# Altium PCB PCB.PcbDoc (part 1 of 3)
Units mm, origin at the board's own origin, x right, y up, seen from the top; angles counter-clockwise.
Board outline 229 x 100 mm, 2 copper layers (Top Layer 1, Bottom Layer 2), stack 1.58 mm thick; 164 components, 97 nets, 426 pads, 699 vias.
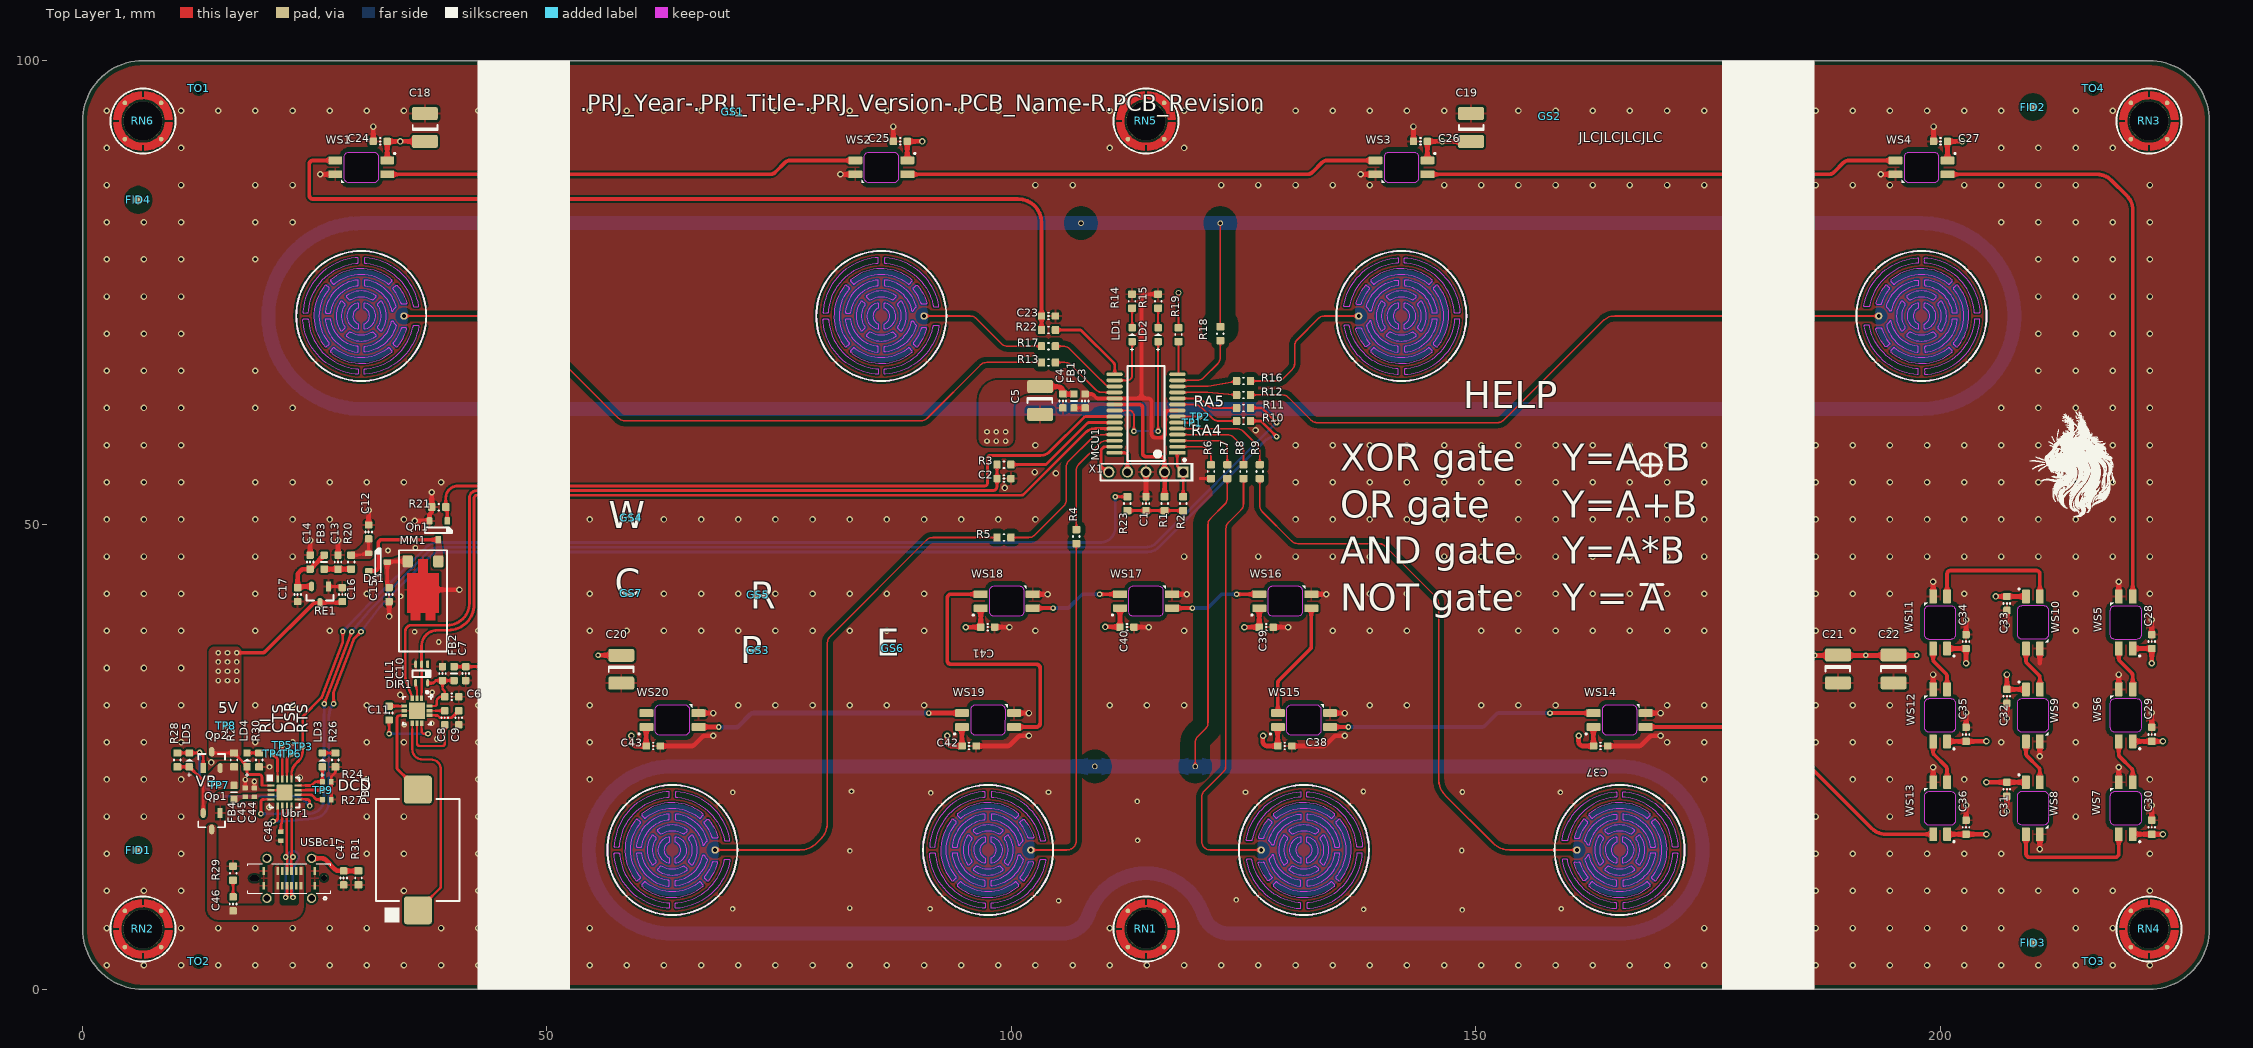
[diagram p0: Top Layer 1 view]
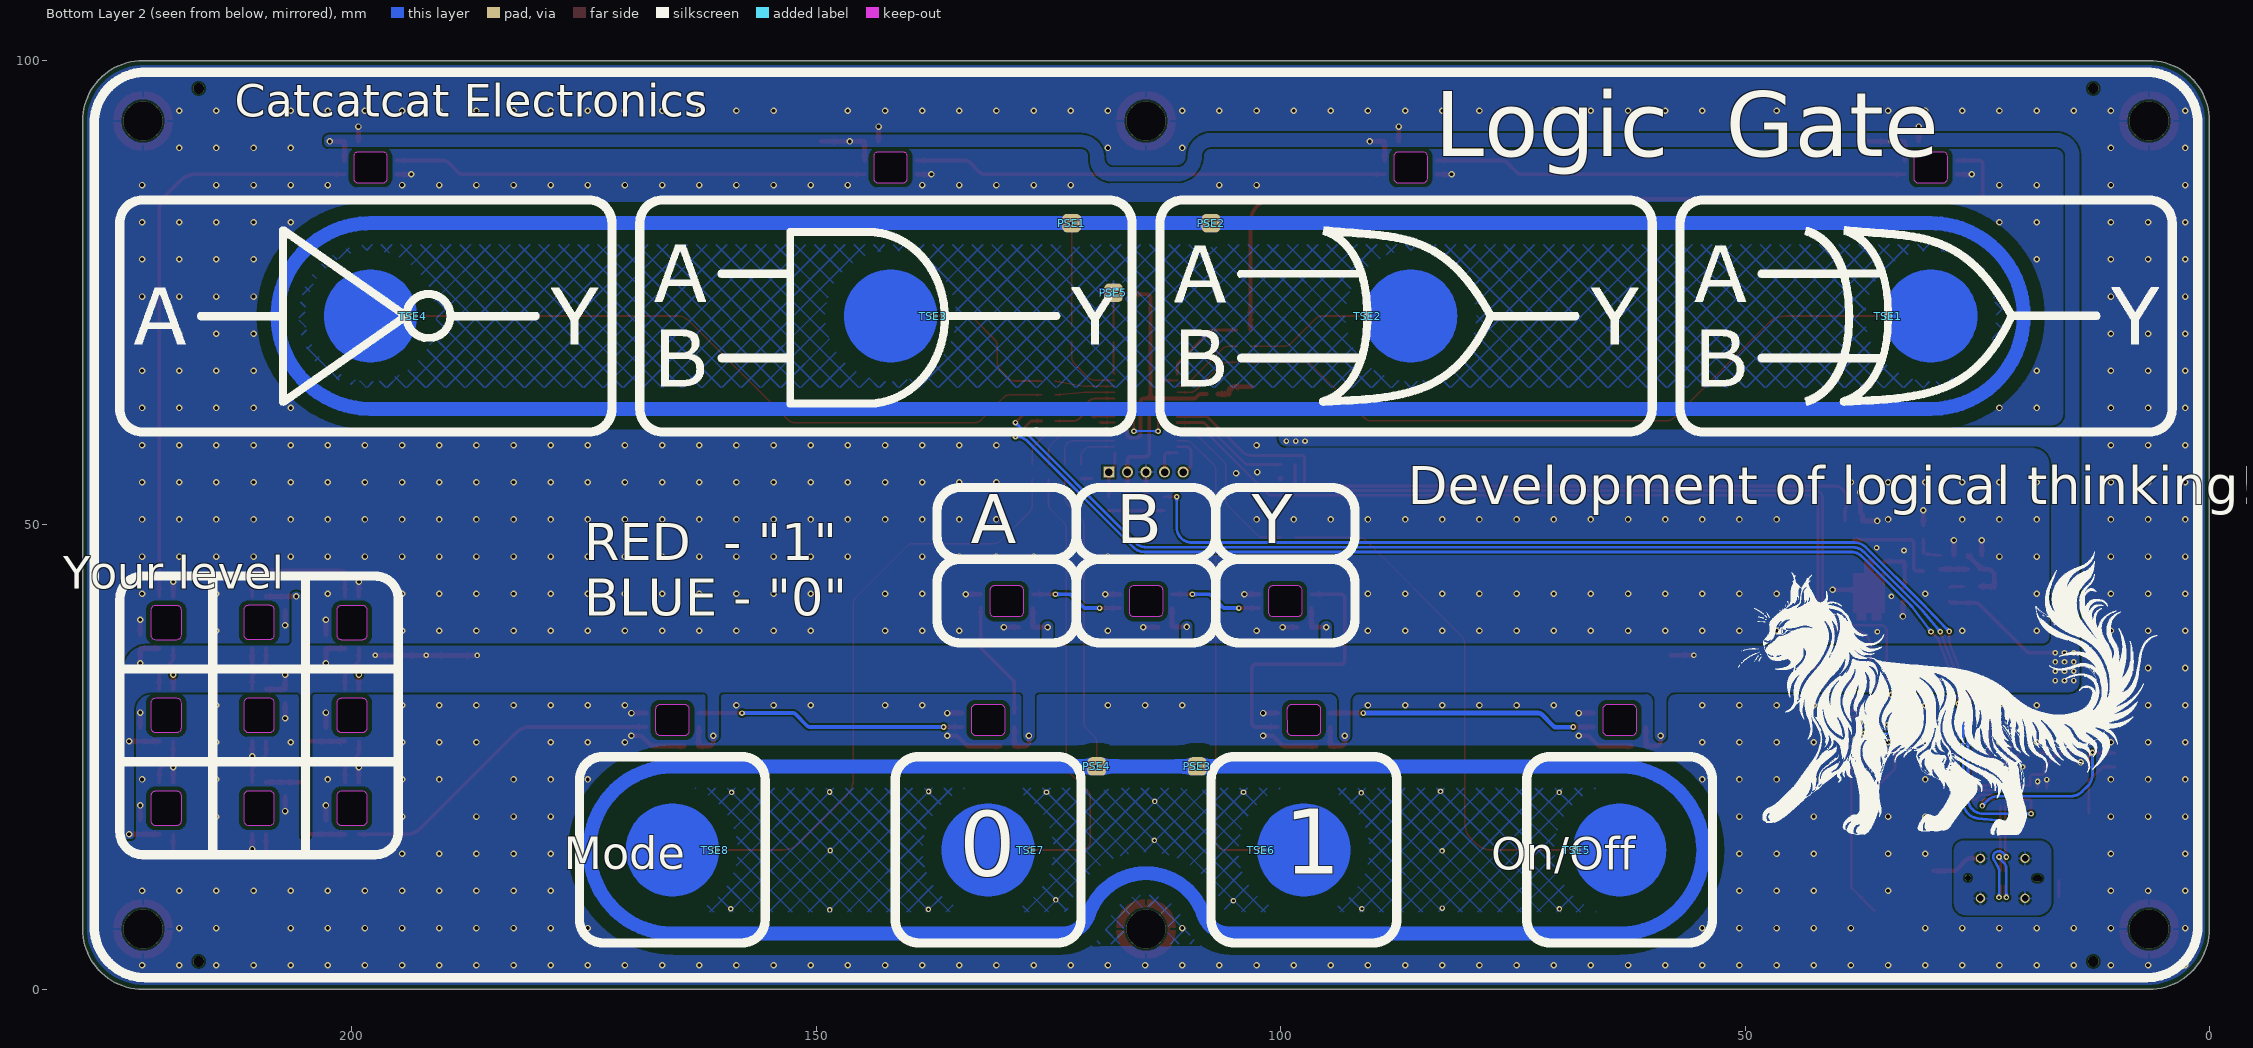
[diagram p1: Bottom Layer 2 view, seen from below]
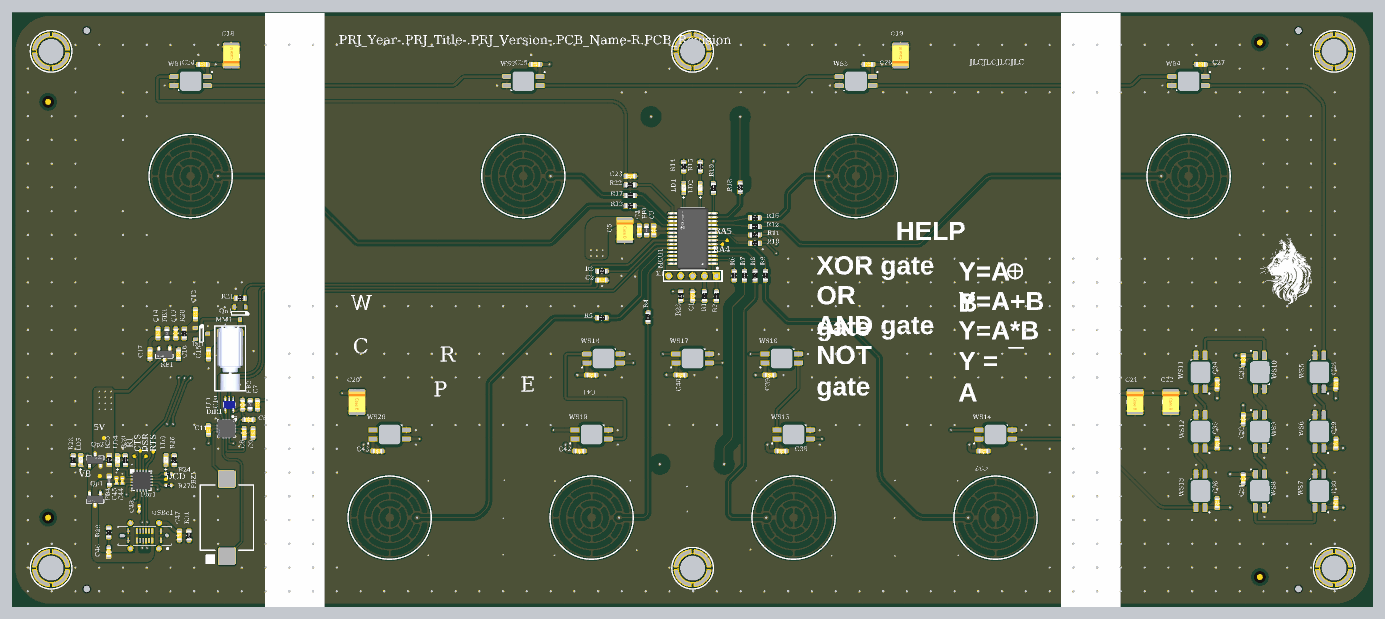
[diagram p4: 3D render of the assembled board from above, using the file's embedded part models]

## Layer stack, top to bottom
Top Solder: solder mask 0.01, Solder Resist, Dk 3.8
Top Layer 1: signal copper 0.035
Core: core 1.51, FR-4 Standard Tg 130-140/ Tg 155, Dk 4.6
Bottom Layer 2: signal copper 0.035
Bottom Solder: solder mask 0.01, Solder Resist, Dk 3.8

## Board outline
6.5,0 cw(c6.5,6.5) 0,6.5 0,93.5 cw(c6.5,93.5) 6.5,100 222.5,100 cw(c222.5,93.5) 229,93.5 229,6.5 cw(c222.5,6.5) 222.5,0

## Design rules (kind name [scope] priority, off if disabled: settings)
AcuteAngle [All] p1: minimum=6.00000000000000E+0001 checktracksonly=FALSE
BackDrilling BackDrilling_1 [InNet('BUZZER')] p1: maxstublength=0.381 usetopbackdrill=TRUE usebottombackdrill=TRUE holeoversize=0.025 holetolplus=0 holetolminus=0
BoardOutlineClearance Overley [OnSilkscreen] p1: gap=0.4 ignorepadtopadclearanceinfootprint=FALSE
BoardOutlineClearance "Top Bottom" [OnOutside] p2: gap=0.5 ignorepadtopadclearanceinfootprint=FALSE
BoardOutlineClearance "On Copper" [OnCopper] p3: gap=0.5 ignorepadtopadclearanceinfootprint=FALSE
BoardOutlineClearance [All] p4: gap=0.5 ignorepadtopadclearanceinfootprint=FALSE except(0: Arc-OutlineEdge Track-OutlineEdge SMDPad-OutlineEdge THPad-OutlineEdge Via-OutlineEdge Fill-OutlineEdge Poly-OutlineEdge Region-OutlineEdge Text-OutlineEdge)
Clearance Clearance_dir1 [InComponent('DIR1')] p1: gap=0.15 ignorepadtopadclearanceinfootprint=FALSE except(0: Arc-Hole Track-Hole SMDPad-Hole THPad-Hole Via-Hole Fill-Hole Poly-Hole Region-Hole Text-Hole)
Clearance Clearance_PS1 [InNet('PS1') vs InPolygon] p2: gap=1.5 ignorepadtopadclearanceinfootprint=FALSE
Clearance Clearance_PS2 [InNet('PS2') vs InPolygon] p3: gap=1.5 ignorepadtopadclearanceinfootprint=FALSE
Clearance Clearance_TS [InNet('L0') or InNet('L1') or InNet('MODE')or InNet('AND') or InNet('NO') or InNet('ON_OFF') or InNet('OR') or InNet('PS1') or InNet('PS2') or InNet('XOR') or InNet('mL0') or InNet('mL1') or InNet('mMODE')or InNet('mAND') or InNet('mNO') or InNet('mON_OFF') or InNet('mOR') or InNet('mPS1') or InNet('mPS2') or InNet('mXOR') vs InPolygon] p4: gap=0.5 ignorepadtopadclearanceinfootprint=FALSE except(0: Arc-Hole Track-Hole SMDPad-Hole THPad-Hole Via-Hole Fill-Hole Poly-Hole Region-Hole Text-Hole)
Clearance Clearance_POL_GND [InNamedPolygon('GND_L03_P064')] p5: gap=0.5 ignorepadtopadclearanceinfootprint=FALSE
Clearance Clearance_Pol [InNamedPolygon('PolSH')] p6: gap=2 ignorepadtopadclearanceinfootprint=FALSE except(0: Arc-Hole Track-Hole SMDPad-Hole THPad-Hole Via-Hole Fill-Hole Poly-Hole Region-Hole Text-Hole)
Clearance [All] p7: gap=0.2 ignorepadtopadclearanceinfootprint=FALSE except(0: Arc-Hole Track-Hole SMDPad-Hole THPad-Hole Via-Hole Fill-Hole Poly-Hole Region-Hole Text-Hole)
ComponentClearance [All] p1: gap=0 collisioncheckmode=3 verticalgap=0 showdistances=FALSE
ComponentOrientations [All] p1: allowedrotations=32
Creepage [All] p1: checkdistance=1
DiffPairsRouting DiffPairsRoutingUSB2 [WithinRoom('RoomUSB') and OnLayer ('Top Layer 1')] p1: maxlimit=0.2 minlimit=0.2 mostfreqgap=0.2 toplayer_minwidth=0.2 toplayer_maxwidth=0.2 toplayer_prefwidth=0.2 bottomlayer_minwidth=0.2 bottomlayer_maxwidth=0.2 bottomlayer_prefwidth=0.2 maxuncoupledlength=12.7
DiffPairsRouting DiffPairsRoutingUSB [InDifferentialPair('D')] p2: maxlimit=0.2 minlimit=0.2 mostfreqgap=0.2 toplayer_minwidth=0.266 toplayer_maxwidth=0.266 toplayer_prefwidth=0.266 bottomlayer_minwidth=0.266 bottomlayer_maxwidth=0.266 bottomlayer_prefwidth=0.266 impedanceprofiledriven=TRUE maxuncoupledlength=12.7
Height [All] p1: minheight=0 maxheight=30 prefheight=15
HoleSize [All] p1: absolutevalues=TRUE maxlimit=6 minlimit=0.3 maxpercent=80.000 minpercent=20.000
HoleToHoleClearance [All] p1: gap=0.5 allowstackedmicrovias=TRUE
MatchedLengths [All] p1: tolerance=1 checknetsindiffpair=FALSE checkdiffpairvsdiffpair=TRUE checkxsignals=TRUE checkothers=TRUE
MaximumViaCount MaximumViaCount_1 [InNet('BUZZER')] p1: limit=2
MinimumAnnularRing [All] p1: minimumring=0.13
MinimumSolderMaskSliver [All] p1: minsoldermaskwidth=0.1
NetsToIgnore [All] p1:
PasteMaskExpansion [All] p1: expansion=-0.05
PermittedLayers [All] p1: toplayerpermitted=TRUE bottomlayerpermitted=TRUE
PlaneClearance [All] p1: clearance=0.2
PlaneConnect [All] p1: pad.planeconnectstyle=Relief pad.reliefexpansion=0.2 pad.reliefentries=4 pad.reliefconductorwidth=0.3 pad.reliefairgap=0.2 via.planeconnectstyle=Direct via.reliefexpansion=0.2 via.reliefentries=4 via.reliefconductorwidth=0.2 via.reliefairgap=0.2
PolygonConnect [All] p1: connectstyle=Relief reliefconductorwidth=0.254 reliefentries=4 polygonreliefangle="90 Angle" airgapwidth=0.254
RoomDefinition RoomUSB [InComponent('Ubr1')] p1: confinementstyle=ConfineIn formatcopy=TRUE lockcomponents=FALSE outline 19.5,23.45 24,23.45 24,18.95 19.5,18.95
RoomDefinition RoomBEEP [HasFootprint('FP-U-QFN3030-12_Type_B-IPC_C')] p2: confinementstyle=ConfineIn formatcopy=TRUE lockcomponents=FALSE outline 34,32 38,32 38,28 34,28
RoutingCorners [All] p1: cornerstyle=Round minsetback=3 maxsetback=0.3
RoutingVias [All] p1: holewidth=0.3 width=0.6 viastyle="Through Hole" minholewidth=0.25 minwidth=0.45 maxholewidth=2.5 maxwidth=3
SMDEntry [All] p1: side=TRUE corner=TRUE anyangle=TRUE
SMDNeckDown [All] p1: percent=50.000
SMDToCorner [All] p1: distance=39370
SMDToPlane [All] p1: distance=196850
SilkToSilkClearance [All] p1: silktosilkclearance=0.15
SilkToSolderMaskClearance [IsPad] p1: minsilkscreentomaskgap=0.15 clearancetoexposedcopper=TRUE
SolderMaskExpansion [All] p1: expansion=0.05 istentingtop=TRUE
StubLength DaisyChainStubLength_1 [InNet('BUZZER')] p1: limit=0.3
SupplyNets "Schematic Supply Nets_2" [InNet('GND')] p1: voltage=0.000
SupplyNets "Schematic Supply Nets_1" [InNet('+3.3V')] p2: voltage=0.000
SupplyNets "Schematic Supply Nets" [InNet('+5.0V')] p3: voltage=0.000
UnRoutedNet [All] p1: checkbadconnections=TRUE
UnpouredPolygon [All] p1: allowunpoured=TRUE allowshelved=TRUE
Width Width_USB [WithinRoom('RoomUSB') and OnLayer ('Top Layer 1')] p1: maxlimit=0.2 minlimit=0.2 preferedwidth=0.2
Width WidthBEEP [WithinRoom('RoomBEEP') and OnLayer ('Top Layer 1')] p2: maxlimit=0.2 minlimit=0.2 preferedwidth=0.2
Width [All] p3: maxlimit=5 minlimit=0.15 preferedwidth=0.3
16 further rules are at their usual default settings.

## Classes and differential pairs
net class USB90Ohm: D_N D_P
component class "Touch Sensors": PSE1 PSE2 PSE3 PSE4 PSE5 TSE1 TSE2 TSE3 TSE4 TSE5 TSE6 TSE7 TSE8
component class Sound: C6 C7 C8 C9 C10 C11 C12 C13 C14 C15 C16 C17 DIR1 Ds1 FB2 FB3 LL1 MM1 PBZ1 Qn1 R20 R21 RE1
component class Power: C44 C45 C46 C47 C48 FB4 LD3 LD4 LD5 Qp1 Qp2 R23 R24 R25 R26 R27 R28 R29 R30 R31 TP3 TP4 TP5 TP6 TP7 TP8 TP9 Ubr1 USBc1
component class MCU: C1 C2 C3 C4 C5 FB1 LD1 LD2 MCU1 R1 R2 R3 R4 R5 R6 R7 R8 R9 R10 R11 R12 R13 R14 R15 R16 R17 R18 R19 TP1 TP2 X1
component class Display: C18 C19 C20 C21 C22 C23 C24 C25 C26 C27 C28 C29 C30 C31 C32 C33 C34 C35 C36 C37 C38 C39 C40 C41 C42 C43 R22 WS1 WS2 WS3 WS4 WS5 WS6 WS7 WS8 WS9 WS10 WS11 WS12 WS13 WS14 WS15 WS16 WS17 WS18 WS19 WS20
differential pair D: +D_P -D_N

## Components (designator, comment, footprint, x,y, rotation, side; value= is the part's Value field where it differs from the comment)
C1 "100 nF ±10% 50V" CC0603(1608)x0.8 114.5,52.3 r270 top value=100nF
C2 "10 nF ±10% 50V" CC0603(1608)x0.8 99.208,55 r180 top value=10nF
C3 "100 nF ±10% 50V" CC0603(1608)x0.8 107.95,63.35 r270 top value=100nF
C4 "100 nF ±10% 50V" CC0603(1608)x0.8 105.55,63.35 r90 top value=100nF
C5 "100UF 6.3V CASE-B_3528" TANTAL_B 103.1,63.4 r270 top value=100uF
C6 "100 nF ±10% 50V" CC0603(1608)x0.8 39.75,31.5 r180 top value=100nF
C7 "100 nF ±10% 50V" CC0603(1608)x0.8 41.25,34 r90 top value=100nF
C8 "1uF ±10% 50V 0603" CC0603(1608)x0.8 39,29.25 r270 top value=1uF
C9 "2.2uF ±10% 16V 0603" CC0603(1608)x0.8 40.5,29.25 r270 top value=2.2uF
C10 "100 nF ±10% 50V" CC0603(1608)x0.8 38.75,34 r270 top value=100nF
C11 "1uF ±10% 50V 0603" CC0603(1608)x0.8 33,29.75 r270 top value=1uF
C12 "100 nF ±10% 50V" CC0603(1608)x0.8 30.8,49.25 r270 top value=100nF
C13 "100 nF ±10% 50V" CC0603(1608)x0.8 27.5,46 r270 top value=100nF
C14 "100 nF ±10% 50V" CC0603(1608)x0.8 24.5,46 r270 top value=100nF
C15 "100 nF ±10% 50V" CC0603(1608)x0.8 33,42.5 r90 top value=100nF
C16 "1uF ±10% 50V 0603" CC0603(1608)x0.8 27.957,42.509 r270 top value=1uF
C17 "1uF ±10% 50V 0603" CC0603(1608)x0.8 23.15,42.509 r90 top value=1uF
C18 "100UF 6.3V CASE-B_3528" TANTAL_B 36.847,92.8 r90 top value=100uF
C19 "100UF 6.3V CASE-B_3528" TANTAL_B 149.5,92.8 r90 top value=100uF
C20 "100UF 6.3V CASE-B_3528" TANTAL_B 58,34.47 r270 top value=100uF
C21 "100UF 6.3V CASE-B_3528" TANTAL_B 189,34.5 r270 top value=100uF
C22 "100UF 6.3V CASE-B_3528" TANTAL_B 195,34.5 r270 top value=100uF
C23 "220 pF ±10%" CC0603(1608)x0.8 104,72.5 r180 top value=220pF
C24 "100 nF ±10% 50V" CC0603(1608)x0.8 32.05,91.3 r0 top value=100nF
C25 "100 nF ±10% 50V" CC0603(1608)x0.8 88.05,91.3 r0 top value=100nF
C26 "100 nF ±10% 50V" CC0603(1608)x0.8 144.05,91.3 r0 top value=100nF
C27 "100 nF ±10% 50V" CC0603(1608)x0.8 200.05,91.3 r0 top value=100nF
C28 "100 nF ±10% 50V" CC0603(1608)x0.8 222.8,37.45 r270 top value=100nF
C29 "100 nF ±10% 50V" CC0603(1608)x0.8 222.8,27.45 r270 top value=100nF
C30 "100 nF ±10% 50V" CC0603(1608)x0.8 222.8,17.45 r270 top value=100nF
C31 "100 nF ±10% 50V" CC0603(1608)x0.8 207.2,21.55 r90 top value=100nF
C32 "100 nF ±10% 50V" CC0603(1608)x0.8 207.2,31.55 r90 top value=100nF
C33 "100 nF ±10% 50V" CC0603(1608)x0.8 207.2,41.55 r90 top value=100nF
C34 "100 nF ±10% 50V" CC0603(1608)x0.8 202.8,37.45 r270 top value=100nF
C35 "100 nF ±10% 50V" CC0603(1608)x0.8 202.8,27.45 r270 top value=100nF
C36 "100 nF ±10% 50V" CC0603(1608)x0.8 202.8,17.45 r270 top value=100nF
C37 "100 nF ±10% 50V" CC0603(1608)x0.8 163.45,26.2 r180 top value=100nF
C38 "100 nF ±10% 50V" CC0603(1608)x0.8 129.45,26.2 r180 top value=100nF
C39 "100 nF ±10% 50V" CC0603(1608)x0.8 127.45,39 r180 top value=100nF
C40 "100 nF ±10% 50V" CC0603(1608)x0.8 112.45,39 r180 top value=100nF
C41 "100 nF ±10% 50V" CC0603(1608)x0.8 97.45,39 r180 top value=100nF
C42 "100 nF ±10% 50V" CC0603(1608)x0.8 95.45,26.2 r180 top value=100nF
C43 "100 nF ±10% 50V" CC0603(1608)x0.8 61.45,26.2 r180 top value=100nF
C44 "10 uF 6.3V ±10%" CC0402(1005)x0.5 18.5,21.2 r90 top value=10uF
C45 "100nF 50V ±10% 0402" CC0402(1005)x0.5 17.5,21.2 r90 top value=100nF
C46 "0.22 uF ±10%" CC0603(1608)x0.8 16.2,9.2 r270 top value=220nF
C47 "100 nF ±10% 50V" CC0603(1608)x0.8 28.1,12 r90 top value=100nF
C48 "100nF 50V ±10% 0402" CC0402(1005)x0.5 21.35,16.492 r90 top value=100nF
DIR1 "PAM8904JPR" FP-U-QFN3030-12_Type_B-IPC_C 36,30 r270 top
Ds1 "BAV70" "SOT-23 - pdf" 31.8,46 r180 top
FB1 "GZ1608D601TF" FB0603(1608) 106.75,63.35 r270 top value=200mA
FB2 "GZ1608D601TF" FB0603(1608) 40,34 r90 top value=200mA
FB3 "GZ1608D601TF" FB0603(1608) 26,46 r90 top value=200mA
FB4 "GZ1608D601TF" FB0603(1608) 16.3,21.225 r270 top value=200mA
FID1 "Top(Bottom) Layer" "Fiducial marker top" 6,15 r0 top value="Top Layer"
FID2 "Top(Bottom) Layer" "Fiducial marker top" 210,95 r0 top value="Top Layer"
FID3 "Top(Bottom) Layer" "Fiducial marker top" 210,5 r0 top value="Top Layer"
FID4 "Top(Bottom) Layer" "Fiducial marker top" 6,85 r0 top value="Top Layer"
GS1 "Graphic symbol" _S_Project_CAT 70,94.5 r0 top
GS2 "Graphic symbol" _S_JLC 158,94 r0 top
GS3 "Graphic symbol" _S_Pb-free 72.75,36.5 r0 top
GS4 "Graphic symbol" _S_TR 59.1,50.8 r0 top
GS5 "Graphic symbol" _S_R 72.75,42.5 r0 top
GS6 "Graphic symbol" _S_ATTENTION2 87.25,36.75 r0 top
GS7 "Graphic symbol" _S_CE 59.1,42.675 r0 top
LD1 "KT-0603R" "LD0603 RED" 113,70.5 r270 top value=Red
LD2 "LED 0603 Yellow 120° 60mW" "LD0603 YELLOW" 115.8,70.5 r270 top value=Yellow
LD3 "KT-0603R" "LD0603 RED" 25.825,24.7 r270 top value=Red
LD4 "KT-0603R" "LD0603 RED" 17.7,24.7 r270 top value=Red
LD5 "LED 0603 Yellow 120° 60mW" "LD0603 YELLOW" 11.5,24.7 r270 top value=Yellow
LL1 "74AHC1G04GW,125" SOT353-5-TSSOP-M 36.5,34 r90 top value=74AHC1G04GW
MCU1 "PIC18F27Q84-I/SS" FP-C04-073-IPC_C 114.5,62 r180 top
MM1 "Z3OC1T8219731" VibrationMotor 36.65,42.675 r90 top locked
PBZ1 "KLJ-1102" Cy-SMD-1102-5041 36.1,15 r90 top
PSE1 "Connection point" "Connection point" 122.5,82.5 r180 bottom
PSE2 "Connection point" "Connection point" 107.5,82.5 r180 bottom
PSE3 "Connection point" "Connection point" 108.993,24 r180 bottom
PSE4 "Connection point" "Connection point" 119.8,24 r180 bottom
PSE5 "Connection point" "Connection point" 118,75 r90 bottom
Qn1 "2N7002" "SOT-23 - pdf" 38.3,49.425 r90 top
Qp1 "AO3401A" FP-SOT23-IPC_C 13.9,18.1 r90 top
Qp2 "AO3401A" FP-SOT23-IPC_C 13.9,24.7 r270 top
R1 "10K ±1% 0603" "RC0603(1608) -1%" 116.5,52.3 r90 top value="10 kOhm±1%"
R2 "1K ±1% 0603" "RC0603(1608) -1%" 118.5,52.3 r90 top value="1 kOhm±1%"
R3 "33R ±1% 0603" "RC0603(1608) -1%" 99.208,56.5 r180 top value="33 Ohm ±1%"
R4 "1K ±1% 0603" "RC0603(1608) -1%" 107,48.75 r90 top value="1 kOhm±1%"
R5 "1K ±1% 0603" "RC0603(1608) -1%" 99.208,48.65 r0 top value="1 kOhm±1%"
R6 "10K ±1% 0603" "RC0603(1608) -1%" 121.5,55.75 r90 top value="10 kOhm±1%"
R7 "1K ±1% 0603" "RC0603(1608) -1%" 123.25,55.75 r90 top value="1 kOhm±1%"
R8 "1K ±1% 0603" "RC0603(1608) -1%" 125,55.75 r90 top value="1 kOhm±1%"
R9 "1K ±1% 0603" "RC0603(1608) -1%" 126.75,55.75 r270 top value="1 kOhm±1%"
R10 "22R ±1% 0603" "RC0603(1608) -1%" 125,61.2 r180 top value="22 Ohm ±1%"